# Altium PCB 电解模块主控板_V1.0_ZM_20210726.PcbDoc (part 2 of 2) (continued)
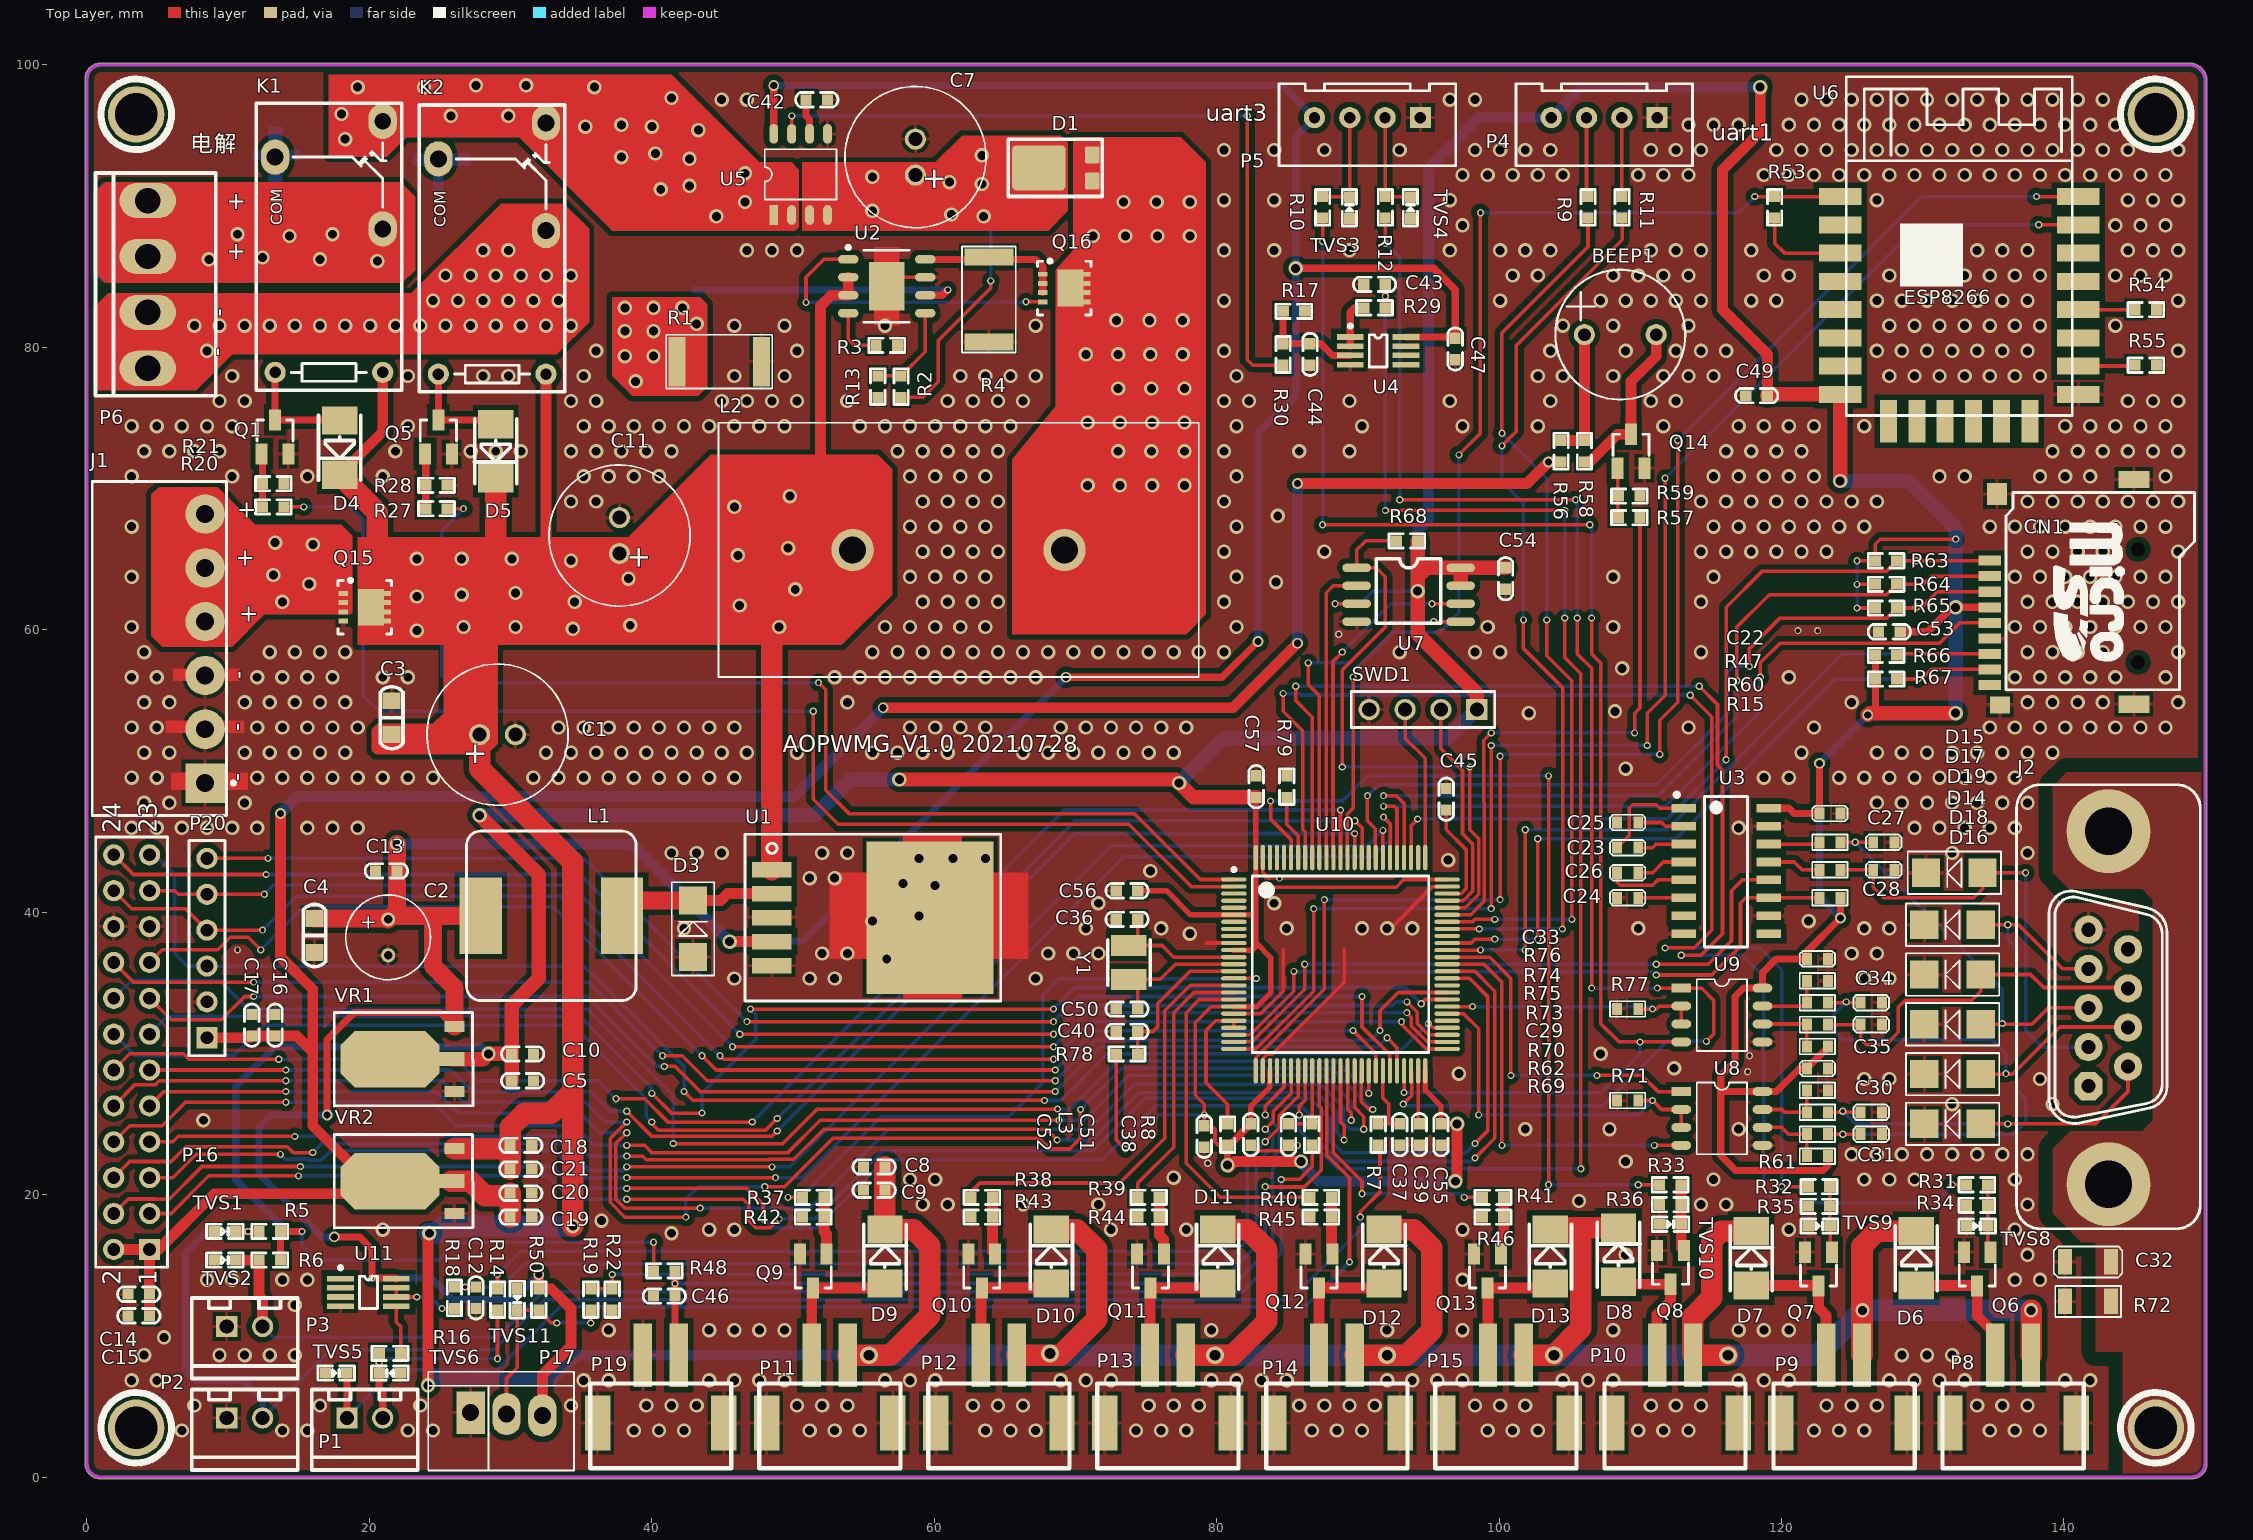
[diagram p0: Top Layer view]
## Nets (pads, with @x,y where several pads share a name; then routed paths per layer and width w, separated by ;. In a path a pad name is that pad's centre, name@x,y a point inside that pad or via, vN(x,y) a via of type N, cw(c..) or ccw(c..) an arc to the next point about the centre after c; other vN are vias at no path point) (continued)
  Top Layer w0.254: R32.1@123.419,20.574 R35.1@123.419,19.177 123.419,17.805 TVS9.2@123.444,17.78 123.444,16.056 Q7.1@123.568,15.932
NetQ8_1: Q8.1 R33.1 R36.1 TVS10.2 | length 4.7
  Top Layer w0.762: R33.1@112.878,20.701 R36.1@112.878,19.304 112.878,17.932 TVS10.2@112.903,17.907 112.903,16.247 Q8.1@113.091,16.059
NetQ9_1: Q9.1 R37.1 R42.1 | length 4.1
  Top Layer w0.762: R37.1@52.197,19.812 R42.1@52.197,18.415 52.197,17.399 52.385,17.211 Q9.1@52.385,15.805
NetQ10_1: Q10.1 R38.1 R43.1 | length 4.1
  Top Layer w0.762: R38.1@64.135,19.812 R43.1@64.135,18.415 64.135,15.993 Q10.1@64.323,15.805
NetQ11_1: Q11.1 R39.1 R44.1 | length 4.1
  Top Layer w0.762: R39.1@75.946,19.812 R44.1@75.946,18.415 75.946,17.145 76.261,16.83 Q11.1@76.261,15.805
NetQ12_1: Q12.1 R40.1 R45.1 | length 4
  Top Layer w0.762: R40.1@88.138,19.812 R45.1@88.138,18.415 88.138,15.866 Q12.1@88.199,15.805
NetQ13_1: Q13.1 R41.1 R46.1 | length 4.1
  Top Layer w0.762: Q13.1@100.137,15.805 100.137,17.079 100.33,17.272 R46.1@100.33,18.415 R41.1@100.33,19.812
NetQ14_1: Q14.1 R57.2 R59.1 | length 3.5
  Top Layer w0.254: Q14.1@108.397,71.444 108.397,68.006 R57.2@108.458,67.945
NetQ16_1: Q16.1 U2.1 | length 22.1
  Top Layer w0.254: v2(50.927,83.185) 50.927,84.963 52.197,86.233 U2.1@53.917,86.233 ; v2(66.507,83.226) Q16.1@67.69,83.226
  Bottom Layer w0.254: v2(50.927,83.185) 66.466,83.185 v2(66.507,83.226)
NetQ16_3: Q16.3 R4.1 U2.8 | length 10.4
  Top Layer w0.508: U2.8@59.367,86.233 67.183,86.233 67.69,85.726 Q16.3@67.69,85.176 Q16.3@67.69,84.526 Q16.3@67.69,83.876
NetR2_2: R2.2 R13.1 U2.5 | length 6.8
  Top Layer w0.254: R13.1@56.007,77.978 R2.2@57.658,77.978 59.367,79.687 U2.5@59.367,82.423
NetR3_1: R3.1 U2.4 | length 4
  Top Layer w0.254: U2.4@53.917,82.423 53.917,80.576 54.356,80.137 R3.1@55.88,80.137
NetR9_2: R9.2 U10.69 | length 63.1
  Top Layer w0.254: U10.69@96.323,39.322 98.123,39.322 98.298,39.497 v2(99.695,39.497) ; v2(100.203,73.914) 100.203,81.026 106.299,87.122 R9.2@106.299,89.154 ; v2(103.378,60.706) 103.378,58.166 105.156,56.388 v2(105.156,39.497)
  Bottom Layer w0.254: v2(99.695,39.497) v2(105.156,39.497) ; v2(100.203,73.914) 103.378,70.739 v2(103.378,60.706)
NetR11_2: R11.2 U10.68 | length 63.8
  Top Layer w0.254: U10.68@96.323,38.822 v2(98.592,38.822) ; v2(100.203,73.025) 101.219,74.041 101.219,80.137 108.712,87.63 R11.2@108.712,89.154 ; v2(101.727,60.706) 101.727,58.674 104.521,55.88 104.521,38.862 v2(104.481,38.822)
  Bottom Layer w0.254: v2(98.592,38.822) v2(104.481,38.822) ; v2(100.203,73.025) 100.203,70.485 101.727,68.961 v2(101.727,60.706)
NetR14_1: R14.1 U10.32 | length 68
  Top Layer w0.254: R14.1@29.083,13.335 v2(29.083,14.351) ; v2(83.439,23.749) 84.43,24.74 84.43,25.629 85.773,26.972 U10.32@85.773,28.772
  Bottom Layer w0.254: v2(29.083,14.351) 30.734,16.002 80.391,16.002 82.169,17.78 82.169,22.479 v2(83.439,23.749)
NetR16_2: R16.2 U11.5 | length 3.5
  Top Layer w0.254: U11.5@21.914,12.106 21.914,10.979 22.225,10.668 R16.2@22.225,8.763
NetR18_2: R18.2 U11.6 U11.7 | length 5.1
  Top Layer w0.254: U11.7@21.914,13.406 U11.6@21.914,12.756 v2(23.368,12.756) ; v2(25.146,11.938) R18.2@26.035,11.938
  Bottom Layer w0.254: v2(23.368,12.756) 24.328,12.756 v2(25.146,11.938)
NetR19_2: R19.2 R22.2 U10.35 | length 64.8
  Top Layer w0.254: R19.2@35.687,13.335 R22.2@37.211,13.335 v2(37.211,14.351) ; v2(83.439,20.574) 83.464,20.549 86.208,20.549 87.401,21.742 87.401,26.137 87.273,26.265 U10.35@87.273,28.772
  Bottom Layer w0.254: v2(37.211,14.351) 80.835,14.414 83.439,17.018 v2@83.439,20.447
NetR20_1: R20.1 U10.2 | length 89.3
  Top Layer w0.254: R20.1@13.97,68.707 v2(15.367,68.707) ; v2(51.435,54.229) 51.435,48.006 53.213,46.228 73.787,46.228 78.193,41.822 U10.2@81.223,41.822
  Bottom Layer w0.254: v2(15.367,68.707) 18.669,68.707 19.558,67.818 19.558,55.372 20.701,54.229 v2(51.435,54.229)
NetR27_1: R27.1 U10.1 | length 79.8
  Top Layer w0.254: R27.1@25.527,68.58 v2(26.67,68.58) ; v2(51.816,56.261) 52.324,55.753 52.324,48.641 53.975,46.99 74.168,46.99 78.836,42.322 U10.1@81.223,42.322
  Bottom Layer w0.254: v2(26.67,68.58) 25.146,67.056 25.146,56.769 25.654,56.261 v2(51.816,56.261)
NetR29_2: R29.2 U4.1 U4.2 | length 3.5
  Top Layer w0.508: U4.2@89.465,80.091 U4.1@89.465,80.731 89.465,82.48 89.789,82.804 R29.2@90.424,82.804
NetR30_2: R30.2 U5.7 | length 53.5
  Top Layer w0.254: U5.7@49.911,95.123 v2(49.911,96.393) ; v2(82.169,96.393) 82.169,79.121 82.55,78.74 R30.2@84.709,78.74
  Bottom Layer w0.254: v2(49.911,96.393) v2(82.169,96.393)
NetR31_2: R31.2 U10.92 | length 99.8
  Top Layer w0.254: v2(85.598,56.007) 85.598,54.991 86.773,53.816 U10.92@86.773,43.872 ; v2(112.903,36.957) 114.3,36.957 115.824,38.481 115.824,50.063 115.468,50.419 115.468,54.712 v2(114.173,56.007) ; v2(132.08,20.701) R31.2@133.071,20.701
  Bottom Layer w0.254: v2(85.598,56.007) v2(114.173,56.007) ; v2(112.903,36.957) 117.221,36.957 118.745,35.433 118.745,20.32 119.634,19.431 130.81,19.431 v2(132.08,20.701)
NetR32_2: R32.2 U10.93 | length 88.4
  Top Layer w0.254: v2(84.709,55.499) 84.709,54.229 86.106,52.832 86.106,45.847 86.273,45.68 U10.93@86.273,43.872 ; v2(111.76,37.465) 111.785,37.49 113.817,37.49 115.062,38.735 115.062,53.848 v2(113.538,55.372) ; v2(120.015,20.574) R32.2@121.895,20.574
  Bottom Layer w0.254: v2(84.709,55.499) 84.734,55.474 85.819,55.474 85.844,55.499 85.958,55.385 113.525,55.385 v2(113.538,55.372) ; v2(111.76,37.465) 111.785,37.49 118.466,37.49 120.015,35.941 v2(120.015,20.574)
NetR33_2: R33.2 U10.95 | length 61.8
  Top Layer w0.254: v2(83.82,47.879) 83.82,46.609 85.273,45.156 U10.95@85.273,43.872 ; v2(103.505,20.701) v2(103.505,49.657) ; v2(109.855,20.701) R33.2@111.354,20.701
  Bottom Layer w0.254: v2(83.82,47.879) 88.9,47.879 90.678,49.657 v2(103.505,49.657) ; v2(103.505,20.701) v2(109.855,20.701)
NetR37_2: R37.2 U10.15 | length 45.8
  Top Layer w0.254: v2(49.657,19.812) R37.2@50.673,19.812 ; U10.15@81.223,35.322 v2@82.804,35.322
  Bottom Layer w0.254: v2(49.657,19.812) 50.546,19.812 56.261,25.527 65.278,25.527 67.691,27.94 67.691,34.163 68.834,35.306 v2(82.804,35.306)
NetR38_2: R38.2 U10.16 | length 30.3
  Top Layer w0.254: R38.2@62.611,19.812 62.611,20.193 63.246,20.828 73.152,20.828 76.327,24.003 76.327,33.02 78.129,34.822 U10.16@81.223,34.822
NetR39_2: R39.2 U10.17 | length 19
  Top Layer w0.254: R39.2@74.422,19.812 74.422,20.828 76.962,23.368 76.962,32.893 78.391,34.322 U10.17@81.223,34.322
NetR40_2: R40.2 U10.18 | length 24.2
  Top Layer w0.254: U10.18@81.223,33.822 78.78,33.822 77.851,32.893 77.851,22.225 80.264,19.812 R40.2@86.614,19.812
NetR41_2: R41.2 U10.37 | length 18.2
  Top Layer w0.254: U10.37@88.273,28.772 88.273,22.979 90.297,20.955 v2(90.297,20.066) ; v2(97.536,19.812) R41.2@98.806,19.812
  Bottom Layer w0.254: v2(90.297,20.066) 97.282,20.066 v2(97.536,19.812)
NetR47_1: R47.1 U3.14 | length 3.6
  Top Layer w0.254: U3.14@119.091,44.831 122.555,44.831 R47.1@122.682,44.958
NetR53_1: R53.1 U6.1 U10.87 | length 77.5
  Top Layer w0.254: U10.87@89.273,43.872 89.24,43.905 89.24,46.949 89.662,47.371 v2(89.662,56.642) ; v2(97.155,72.39) 98.679,73.914 v2(98.679,89.535) ; v2(118.11,90.678) R53.1@119.507,90.678 U6.1@124.155,90.678
  Bottom Layer w0.254: v2(89.662,56.642) 89.662,57.023 92.456,59.817 95.758,59.817 97.155,61.214 v2(97.155,72.39) ; v2(98.679,89.535) 116.967,89.535 v2(118.11,90.678)
NetR53_2: R53.2 U6.3 | length 6.7
  Top Layer w0.254: R53.2@119.507,89.154 119.507,87.376 120.205,86.678 U6.3@124.155,86.678
NetR54_2: R54.2 U6.18 | length 4
  Top Layer w0.254: U6.18@141.021,82.678 R54.2@145.034,82.677 R54.2@145.034,82.677
NetR55_1: R55.1 U6.16 | length 4
  Top Layer w0.254: U6.16@141.021,78.678 144.972,78.678 R55.1@145.034,78.74
NetR57_1: R57.1 U10.70 | length 40.7
  Top Layer w0.254: U10.70@96.323,39.822 97.988,39.822 98.958,40.792 98.958,47.752 98.908,47.803 98.908,52.172 v2(99.441,52.705) ; v2(109.601,52.705) 109.601,54.102 109.982,54.483 R57.1@109.982,67.945
  Bottom Layer w0.254: v2(99.441,52.705) v2(109.601,52.705)
NetR60_1: R60.1 U3.13 | length 3.8
  Top Layer w0.254: U3.13@119.091,43.561 120.904,43.561 121.454,43.011 R60.1@122.682,43.011
NetR61_1: R61.1 R69.1 U8.6 | length 4.9
  Top Layer w0.254: U8.6@118.653,24.765 120.015,24.765 120.495,24.285 R69.1@121.793,24.285 R61.1@121.793,22.733
NetR62_1: R62.1 R70.1 U8.7 | length 4.8
  Top Layer w0.254: U8.7@118.653,26.035 120.015,26.035 120.213,25.837 R62.1@121.793,25.837 R70.1@121.793,27.39
NetR68_2: R68.2 U7.1 U10.71 | length 42.3
  Top Layer w0.254: v2(88.9,50.292) 88.9,57.15 91.948,60.198 91.948,63.754 91.313,64.389 U7.1@89.916,64.389 89.916,65.659 90.551,66.294 R68.2@92.71,66.294 ; U10.71@96.323,40.322 97.599,40.322 98.552,41.275 98.552,45.212 97.917,45.847 v2(97.917,50.292)
  Bottom Layer w0.254: v2(88.9,50.292) v2(97.917,50.292)
NetR73_1: R73.1 R75.1 U9.6 | length 4.7
  Top Layer w0.254: U9.6@118.653,32.089 121.75,32.089 R75.1@121.793,32.046 R73.1@121.793,30.494
NetR74_1: R74.1 R76.1 U9.7 | length 4.8
  Top Layer w0.254: U9.7@118.653,33.359 121.553,33.359 R74.1@121.793,33.599 R76.1@121.793,35.151
NetR79_2: R79.2 U10.94 | length 4.6
  Top Layer w0.254: R79.2@84.963,48.133 84.963,46.228 85.773,45.418 U10.94@85.773,43.872
NetU6_21: U6.21 U10.25 | length 104.5
  Top Layer w0.254: U10.25@81.223,30.322 82.773,30.322 86.868,34.417 v2(86.868,40.259) ; v2(99.441,40.259) v2(99.441,51.816) ; v2(110.49,51.816) 110.49,54.102 111.76,55.372 v2(111.76,70.739) ; v2(138.208,88.678) U6.21@141.021,88.678
  Bottom Layer w0.254: v2(86.868,40.259) v2(99.441,40.259) ; v2(99.441,51.816) v2(110.49,51.816) ; v2(111.76,70.739) 129.699,88.678 v2(138.208,88.678)
NetU6_22: U6.22 U10.26 | length 106.4
  Top Layer w0.254: U10.26@82.773,28.772 82.773,29.704 83.427,30.358 83.444,30.358 87.63,34.544 v2(87.63,40.894) ; v2(100.076,40.894) v2(100.076,51.054) ; v2(111.379,51.181) 111.379,53.594 112.649,54.864 v2(112.649,73.406) ; v2(138.049,90.678) U6.22@141.021,90.678
  Bottom Layer w0.254: v2(87.63,40.894) v2(100.076,40.894) ; v2(100.076,51.054) 100.203,51.181 v2(111.379,51.181) ; v2(112.649,73.406) 129.921,90.678 v2(138.049,90.678)
NetU7_2: U7.2 U10.90 | length 21.1
  Top Layer w0.254: U10.90@87.773,43.872 87.773,62.627 88.265,63.119 U7.2@89.916,63.119
NetU7_5: U7.5 U10.91 | length 26.1
  Top Layer w0.254: v2(86.487,57.658) 86.487,56.134 87.273,55.348 U10.91@87.273,43.872 ; v2(95.377,60.579) U7.5@97.282,60.579
  Bottom Layer w0.254: v2(86.487,57.658) 89.408,57.658 92.329,60.579 v2(95.377,60.579)
NetU7_6: U7.6 U10.89 | length 24.6
  Top Layer w0.254: U10.89@88.273,43.872 88.24,43.905 88.24,57.76 v2(88.9,58.42) ; v2(95.25,61.849) U7.6@97.282,61.849
  Bottom Layer w0.254: v2(88.9,58.42) 92.329,61.849 v2(95.25,61.849)
NetU10_29: U10.29
RCS: K1.3 K2.3 R1.1 U2.6 | length 19.7
  Top Layer w0.508: U2.6@59.367,83.693 60.579,83.693 v2(60.96,84.074)
  Bottom Layer w0.508: 43.053,84.074 v2(60.96,84.074)
  other v1: 38.862,77.597 38.1,79.375 40.132,79.375 38.1,81.153 40.132,81.153 43.18,81.661 38.1,82.804 40.132,82.804 42.164,82.804
RXD1_485: U8.1 U10.64 | length 24.5
  Top Layer w0.254: U10.64@96.323,36.822 96.34,36.805 99.339,36.805 100.838,35.306 v2(100.838,28.448) ; v2(106.934,28.448) 110.109,28.448 111.252,27.305 U8.1@112.903,27.305
  Bottom Layer w0.254: v2(100.838,28.448) v2(106.934,28.448)
RXD2_485: R12.2 U9.1 U10.48 | length 106
  Top Layer w0.254: v2(91.948,87.376) R12.2@91.948,89.154 ; v2(92.964,69.215) v2(105.41,69.215) ; v2(93.218,26.416) 93.662,26.86 93.662,26.868 93.806,27.012 93.806,28.739 U10.48@93.773,28.772 ; v2(105.537,60.833) 105.537,58.293 106.553,57.277 v2(106.553,34.629) ; v2(111.21,34.629) U9.1@112.903,34.629 114.342,34.629 115.189,33.782 115.189,31.369 v2(114.681,30.861)
  Bottom Layer w0.254: v2(91.948,87.376) 92.964,86.36 v2(92.964,69.215) ; v2(93.218,26.416) 93.345,26.289 107.315,26.289 111.887,30.861 v2(114.681,30.861) ; v2(105.41,69.215) 105.537,69.088 v2(105.537,60.833) ; v2(106.553,34.629) v2(111.21,34.629)
RXD_233: U3.12 U10.24 | length 45.9
  Top Layer w0.254: U10.24@81.223,30.822 82.511,30.822 86.233,34.544 v2(86.233,36.322) ; v2(111.125,36.322) 114.808,36.322 116.459,37.973 116.459,41.529 117.221,42.291 U3.12@119.091,42.291
  Bottom Layer w0.254: v2(86.233,36.322) v2(111.125,36.322) v2@111.252,36.322
SWCLK: SWD1.3 U10.76 | length 11.1
  Top Layer w0.254: SWD1.3@93.345,54.356 93.345,52.324 94.773,50.896 U10.76@94.773,43.872
SWDIO: SWD1.2 U10.72 | length 15.9
  Top Layer w0.254: SWD1.2@95.885,54.356 95.885,51.57 97.409,50.046 97.409,45.568 98.146,44.831 98.146,41.504 97.464,40.822 U10.72@96.323,40.822
TXD1_485: U8.4 U10.63 | length 28.7
  Top Layer w0.254: U10.63@96.323,36.322 98.933,36.322 100.203,35.052 v2(100.203,23.495) ; v2(110.998,23.495) U8.4@112.903,23.495
  Bottom Layer w0.254: v2(100.203,23.495) v2(110.998,23.495)
TXD2_485: R10.2 U9.4 U10.47 | length 102.7
  Top Layer w0.254: v2(87.503,67.437) v2(106.426,67.437) ; v2(87.503,87.503) R10.2@87.503,89.154 ; v2(93.273,27.233) U10.47@93.273,28.772 ; v2(106.553,60.833) 106.553,58.293 107.188,57.658 107.188,32.131 108.5,30.819 v2(109.982,30.819) U9.4@112.903,30.819
  Bottom Layer w0.254: v2(87.503,67.437) v2(87.503,87.503) ; v2(93.273,27.233) 107.243,27.233 109.982,29.972 v2(109.982,30.819) ; v2(106.426,67.437) 106.553,67.31 v2(106.553,60.833)
TXD_232: R15.2 U3.11 U10.23 | length 48.3
  Top Layer w0.254: U10.23@81.223,31.322 82.376,31.322 85.471,34.417 v2(85.471,35.814) ; v2(111.125,35.56) 115.062,35.56 117.094,37.592 117.094,40.64 117.475,41.021 U3.11@119.091,41.021 R15.2@122.682,41.021
  Bottom Layer w0.254: v2(85.471,35.814) 85.496,35.789 110.896,35.789 v2(111.125,35.56)
V5.0: C14.2 C15.2 C16.2 C17.2 C19.2 C20.2 P16.1 P16.2 P20.1 R56.2 VR2.2 VR2.4 | length 178.4
  Top Layer w0.762: P16.2@1.905,16.129 P16.1@4.445,16.129 ; C15.2@4.445,11.43 C14.2@4.445,12.954 P16.1@4.445,16.129 ; P20.1@8.509,31.115 11.557,31.115 C17.2@11.684,31.242 C16.2@13.335,31.242 14.859,31.242 16.002,30.099 ; v3(13.716,46.99) 13.716,36.83 16.002,34.544 16.002,30.099 ; v3(56.388,54.483) 81.153,54.483 v3(85.725,59.055) ; v3(85.725,70.358) 101.981,70.358 v3(103.505,71.882) R56.2@104.394,71.882 ; P16.1@4.445,16.129 5.08,16.129 9.017,20.066 20.574,20.066 VR2.4@21.463,20.955 19.939,20.955 16.002,24.892 16.002,30.099
  Top Layer w1.524: VR2.2@25.808,20.969 27.164,20.969 28.194,19.939 29.803,19.939 C20.2@29.972,20.108 C19.2@29.972,18.415
  Bottom Layer w0.762: v3(13.716,46.99) 14.922,48.197 50.102,48.197 v3(56.388,54.483) ; v3(85.725,59.055) v3(85.725,70.358)
VDD5V: C2.1 C4.2 C13.2 C47.2 L1.2 P5.4 P17.3 R50.1 U1.4 U4.8 U5.8 U11.8 VR1.3 | length 265.3
  Top Layer w0.508: v3(17.018,25.654) 17.018,30.988 18.923,32.893 25.047,32.893 VR1.3@26.035,31.905 ; v3(17.526,17.018) 19.304,17.018 20.193,16.129 v2(20.193,14.097) 21.873,14.097 U11.8@21.914,14.056 ; U5.8@48.641,95.123 v3(48.641,98.552) ; v3(69.342,56.642) 80.391,56.642 v3(82.931,59.182) ; v1(85.598,85.598) 95.377,85.598 96.901,84.074 C47.2@96.901,80.645 96.815,80.731 U4.8@93.415,80.731
  Top Layer w0.762: v3(32.004,14.351) R50.1@32.004,13.335 32.893,13.335 34.29,11.938 34.29,9.271 32.258,7.239 P17.3@32.258,4.372 ; v1(45.515,37.924) U1.4@48.514,37.924
  Top Layer w1.27: C4.2@16.129,39.554 21.279,39.554 C2.1@21.336,39.497 C2.1@21.59,39.751 ; v1(21.971,44.831) C13.2@21.971,42.926 21.971,40.132 C2.1@21.59,39.751 ; VR1.3@26.035,31.905 26.035,34.671 24.511,36.195 24.511,39.751 ; L1.2@27.893,39.751 24.511,39.751 ; C2.1@21.59,39.751 24.511,39.751
  Bottom Layer w0.508: v3@17.272,25.654 v3(17.018,25.654) 13.081,25.654 12.192,24.765 12.192,21.463 16.637,17.018 v3(17.526,17.018) ; v2(20.193,14.097) 24.384,14.097 25.908,12.573 30.226,12.573 v3(32.004,14.351) ; v1(45.515,37.924) 45.564,37.973 50.673,37.973 v3(69.342,56.642) ; v3(48.641,98.552) 84.642,98.552 P5.4@86.928,96.266 85.598,94.936 v1(85.598,85.598) 85.598,76.581 82.931,73.914 v3(82.931,59.182)
  Bottom Layer w0.762: v1(21.971,44.831) 38.608,44.831 v1(45.515,37.924)
VDD12V: C1.1 C3.2 C8.2 C9.2 C11.1 C18.2 C21.2 D4.2 D5.2 D6.2 D7.2 D8.2 D9.2 D10.2 D11.2 D12.2 D13.2 K1.5 K2.5 L2.1 P8.1 P9.1 P10.1 P11.1 P12.1 P13.1 P14.1 P15.1 Q15.2 U1.1 U2.2 U2.3 VR2.3 | length 373.5
  Top Layer w0.762: D4.2@17.907,70.983 20.955,74.031 K1.5@20.955,78.232 ; v1(24.155,6.502) 24.155,17.17 v1(24.257,17.272) ; 32.512,66.167 K2.5@32.512,78.105 ; 52.197,71.628 51.943,71.882 51.943,82.931 52.705,83.693 U2.3@53.917,83.693 U2.2@53.917,84.963
  Top Layer w1.524: D4.2@17.907,70.983 20.574,68.316 20.574,66.04 ; VR2.3@26.035,23.269 29.746,23.269 C18.2@29.972,23.495 ; v1(26.67,60.198) 26.67,53.721 C1.1@27.813,52.578 27.813,50.165 34.417,43.561 34.417,27.305 ; 28.956,66.167 D5.2@28.956,70.729 ; C21.2@29.972,21.802 C18.2@29.972,23.495 ; v1(34.417,17.78) 34.417,27.305 ; U1.1@48.514,43.024 48.514,60.452 ; P11.1@53.88,8.636 v4(55.388,8.636) 56.896,8.636 59.69,11.43 59.69,16.383 58.537,17.536 D9.2@56.515,17.536 C9.2@56.515,20.32 C8.2@56.515,21.971 ; P12.1@65.849,8.636 68.961,8.636 71.501,11.176 71.501,16.129 70.094,17.536 D10.2@68.294,17.536 ; P13.1@77.819,8.636 81.153,8.636 83.566,11.049 83.566,16.129 82.159,17.536 D11.2@80.073,17.536 ; P14.1@89.789,8.636 93.472,8.636 95.25,10.414 95.25,16.256 93.97,17.536 D12.2@91.853,17.536 ; P15.1@101.759,8.636 v4(103.886,8.636) 105.796,10.546 105.796,16.632 104.892,17.536 D13.2@103.632,17.536 103.759,17.663 D8.2@108.458,17.663 ; v4(116.205,8.636) P10.1@113.728,8.636 113.728,11.367 115.062,12.7 115.062,16.764 115.707,17.409 D7.2@117.856,17.409 ; P9.1@125.698,8.636 125.698,16.351 126.756,17.409 D6.2@129.54,17.409 ; P8.1@137.668,8.636 v1(137.668,11.811) ; C18.2@29.972,23.495 29.972,24.765 30.988,25.781 32.893,25.781 34.417,27.305
  Bottom Layer w0.762: v1(24.155,6.502) 24.613,6.96 33.04,6.96 34.716,8.636 v4(55.388,8.636)
  Bottom Layer w1.524: v1(24.257,17.272) 24.765,17.272 25.273,17.78 v1(34.417,17.78) ; v4(55.388,8.636) v4(103.886,8.636) 122.555,8.636 v1(125.73,11.811) v1(137.668,11.811)
  other v1: 23.368,59.944 34.417,60.071 30.353,60.198 49.022,60.198 38.481,60.325 46.228,61.722 34.544,61.976 23.368,62.357 26.543,62.484 30.353,62.611 50.165,62.865 38.354,63.627 34.29,64.897 23.368,65.024 26.543,65.024 30.099,65.024 46.101,65.278 49.657,65.786 45.847,68.707 49.784,69.469
  other v4: 79.883,8.636 92.075,8.636 68.199,8.763
VDD_ELE: C7.1 D1.2 R2.1 U5.3 U5.4 | length 16.6
  Top Layer w0.254: R2.1@57.658,76.454 59.182,76.454 60.3,77.572 60.3,80.493 64.008,84.201 v2(64.008,84.709)
  Bottom Layer w0.254: v1(63.5,89.281) 64.008,88.773 v2(64.008,84.709)
  other v1: 61.214,89.408 55.626,89.662 63.373,91.567 61.087,91.694 55.626,92.075 63.373,93.599
VO+: K1.2 K2.2 U5.1 U5.2
  other v1: 44.577,89.281 46.609,90.297 40.64,91.186 42.672,91.44 46.609,92.329 42.672,93.345 37.846,93.472 40.259,93.726 18.288,94.742 43.307,95.377 35.306,95.631 40.005,95.631 37.846,95.758 25.781,96.393 29.845,96.393 18.034,96.52 41.402,97.663 19.177,98.425 23.876,98.425 35.941,98.425 27.559,98.552 31.115,98.552
pads on no net: CN1.0 CN1.9 J2.1 J2.6 U3.7 U3.9 U4.5 U4.6 U4.7 U6.2 U6.4 U6.5 U6.6 U6.7 U6.9 U6.10 U6.11 U6.12 U6.13 U6.14 U6.17 U6.19 U6.20 U10.3 U10.4 U10.5 U10.7 U10.8 U10.9 U10.55 U10.60 U10.67 U10.77 U10.84 U10.96 U10.97 U10.98 U11.1 U11.2 U11.3

## Polygon pours and split planes (outlines as drawn)
RCS on Bottom Layer "Top Layer-No Net" (solid, remove dead copper, pour order 0): 11.049,98.806 14.732,98.806 16.002,98.806 16.256,98.552 16.383,98.425 25.908,98.425 27.432,98.425 27.813,98.044 31.496,94.361 37.084,94.361 38.1,94.361 42.672,89.789 44.069,88.392 44.069,77.724 44.069,77.343 43.307,76.581 43.18,76.454 40.259,76.454 38.862,76.454 38.1,77.216 37.084,78.232 37.084,80.391 37.084,86.487 35.179,88.392 34.163,89.408 30.48,89.408 11.303,89.408 10.795,89.916 10.16,90.551 10.16,94.488 10.16,97.917 11.049,98.806
NetC32_2 on Bottom Layer "Top Layer-No Net" (solid, remove dead copper, pour order 6): 141.478,16.637 141.478,10.414 141.478,8.89 144.145,8.89 144.145,-1.524 144.018,-1.651 152.019,-1.651 152.019,48.641 152.273,48.895 151.257,49.911 143.129,49.911 140.208,49.911 139.192,48.895 139.192,44.45 139.192,42.799 140.081,41.91 140.335,41.656 143.256,41.656 145.542,41.656 146.05,41.148 146.304,40.894 146.304,37.719 146.304,25.273 146.05,25.019 145.542,24.511 144.653,24.511 140.462,24.511 139.7,23.749 139.192,23.241 139.192,20.828 139.192,18.669 139.827,18.034 141.224,16.637 141.351,16.637
GND on Bottom Layer "Top Layer-No Net" (solid, remove dead copper, pour order 12): -5.08,104.648 153.162,104.648 154.051,105.537 155.956,103.632 155.956,-2.921 119.634,-2.921 116.205,-6.35 112.395,-2.54 -6.096,-2.54 -6.096,105.537 -5.842,105.791
NetC32_2 on Top Layer "Top Layer-No Net" (solid, remove dead copper, pour order 8): 142.24,16.637 142.24,8.89 144.145,8.89 144.145,-1.524 144.018,-1.651 152.019,-1.651 152.019,48.641 152.273,48.895 151.257,49.911 143.129,49.911 140.208,49.911 139.192,48.895 139.192,44.45 139.192,42.799 140.081,41.91 140.335,41.656 143.256,41.656 145.542,41.656 146.05,41.148 146.304,40.894 146.304,37.719 146.304,25.273 146.05,25.019 145.542,24.511 144.653,24.511 140.462,24.511 139.7,23.749 139.192,23.241 139.192,20.828 139.192,18.669 139.827,18.034 141.224,16.637 141.351,16.637
GND on Top Layer "Top Layer-No Net" (solid, remove dead copper, pour order 10): -19.431,108.204 -11.92,100.693 156.464,100.693 156.464,-1.651 -7.747,-1.651 -7.747,100.693

## Keep-outs
Keep-Out Layer:
  lines w0.254: 0.746,100 148.746,100 ; 1,100 ccw(c1,99) 0,99 0,1 ccw(c1,1) 1,0 149,0 ccw(c149,1) 150,1 150,99 ccw(c148.859,98.859) 148.717,100
Mechanical 1:
  lines w0.254: 0.762,100 148.762,100 ; 1.016,100 ccw(c1.016,99) 0.016,99 0.016,1 ccw(c1.016,1) 1.016,0 149.016,0 ccw(c149.016,1) 150.016,1 150.016,99 ccw(c148.875,98.859) 148.733,100

## Other copper
Top Layer:
  rectangle net GND: 6.096,56.388 10.795,57.277
  rectangle net GND: 5.969,48.641 11.43,49.911
  rectangle net GND: 5.588,52.705 11.176,53.594
  rectangle net GND: 55.753,81.534 57.531,87.122
  rectangle net GND: 52.578,36.703 66.675,42.799
  rectangle net GND: 57.785,33.909 61.976,45.466
  region net VDD12V: 24.511,53.34 25.273,54.102 25.273,60.452 25.654,60.833 27.813,60.833 29.083,59.563 29.083,51.943 28.321,51.181 20.447,51.181 20.193,51.435 20.193,52.959 20.574,53.34
  region net RCS: 37.211,83.566 43.434,83.566 43.942,83.058 43.942,77.216 43.307,76.581 38.608,76.581 37.211,77.978
  region net NetK2_1: 1.524,83.82 22.987,83.82 29.337,90.17 33.782,90.17 35.56,88.392 35.56,81.788 33.274,79.502 10.287,79.502 7.747,76.962 0.762,76.962 0.508,77.216 0.508,82.804
  region net NetK1_1: 1.27,91.694 9.271,91.694 22.225,91.694 23.241,90.678 23.241,85.471 22.352,84.582 1.27,84.582 0.762,85.09 0.762,91.186
  region net VO+: 17.145,99.314 41.402,99.314 47.625,93.091 49.911,93.091 50.419,92.583 50.419,88.519 50.165,88.265 37.211,88.265 30.607,94.869 22.606,94.869 21.251,93.514 17.145,93.514 17.145,94.028 17.145,94.869
  region net VDD_ELE: 68.961,94.996 69.469,94.488 69.469,89.662 68.072,88.265 50.673,88.265 50.673,93.091 60.071,93.091 61.976,94.996
  region net NetD1_1: 77.851,59.69 79.248,61.087 79.248,93.091 77.47,94.869 69.85,94.869 69.85,86.868 68.603,85.503 68.603,75.819 65.532,72.074 65.532,59.69
  region net VDD12V: 19.177,58.928 53.467,58.928 57.023,62.484 57.023,71.374 56.007,72.39 44.196,72.39 38.354,66.548 19.177,66.548
  region net NetJ1_4: 5.08,70.104 9.271,70.104 11.938,67.437 18.034,67.437 18.796,66.675 18.796,61.214 18.669,61.087 12.573,61.087 10.287,58.801 5.334,58.801 4.572,59.563 4.572,69.596
Bottom Layer:
  rectangle net RCS: 12.827,91.694 13.843,95.631
  rectangle net RCS: 11.684,93.218 15.113,93.98
  rectangle net RCS: 24.511,90.932 25.273,93.472
  rectangle net RCS: 23.114,92.837 27.178,93.726
  region net NetK2_1: 1.651,83.82 22.987,83.82 27.305,88.138 34.163,88.138 35.433,86.868 35.433,81.915 33.147,79.629 9.779,79.629 7.239,77.089 0.889,77.089 0.635,77.343 0.635,82.804
  region net NetK1_1: 6.35,91.694 9.271,88.773 22.606,88.773 23.114,88.265 23.114,85.344 22.352,84.582 1.143,84.582 0.508,85.217 0.508,91.059 1.143,91.694
  region net VO+: 17.145,99.314 41.402,99.314 47.625,93.091 49.911,93.091 50.419,92.583 50.419,88.519 50.165,88.265 43.18,88.265 30.734,94.869 22.606,94.869 21.765,94.028 17.145,94.028 17.145,94.869
  region net NetJ1_4: 5.08,70.104 9.271,70.104 11.938,67.437 18.034,67.437 18.796,66.675 18.796,61.214 18.669,61.087 12.573,61.087 10.287,58.801 5.334,58.801 4.572,59.563 4.572,69.596

## Silkscreen, mask and mechanical layers (free items; w line width, h text height)
Top Overlay:
  circle w0.5: c3.5,3.5 r2.5
  circle w0.5: c3.5,96.5 r2.5
  circle w0.5: c146.5,96.5 r2.5
  circle w0.5: c146.5,3.5 r2.5
  text "uart3" at 79.248,95.631 h2.03
  text "uart1" at 115.062,94.234 h2.03
  text "电解" at 7.366,93.472 h2.03
  text "+" at 9.906,89.408 h2.03
  text "+" at 9.906,85.852 h2.03
  text "-" at 10.287,82.169 h2.03 r90
  text "-" at 10.16,79.375 h2.03 r90
  text "+" at 10.668,67.564 h2.03
  text "+" at 10.541,64.135 h2.03
  text "+" at 10.795,60.198 h2.03
  text "-" at 11.684,56.515 h2.03 r90
  text "-" at 11.557,52.832 h2.03 r90
  text "AOPWMG_V1.0 20210728" at 49.276,50.927 h2.03
  text "-" at 11.557,49.276 h2.03 r90
Bottom Overlay:
  text "水位L" at 13.335,8.255 h2.03
  text "电磁阀1" at 54.991,3.302 h2.03
  text "电磁阀3" at 79.502,3.175 h2.03
  text "电磁阀4" at 91.44,3.175 h2.03
  text "泵2" at 125.603,3.175 h2.03
  text "压力阀" at 43.18,3.048 h2.03
  text "电磁阀2" at 67.818,3.048 h2.03
  text "电磁阀5" at 103.378,3.048 h2.03
  text "泵1" at 113.665,3.048 h2.03
  text "泵3" at 137.795,3.048 h2.03
  text "TDS" at 21.336,1.778 h2.03
  text "水位H" at 13.589,1.524 h2.03
  text "流量" at 31.496,1.143 h2.03
Bottom Solder:
  region: 6.35,91.694 9.271,88.773 22.606,88.773 22.606,85.471 22.098,84.963 0.762,84.963 0.762,91.313 1.143,91.694
  region: 1.27,83.185 23.368,83.185 29.718,89.535 33.782,89.535 35.052,88.265 35.052,82.296 32.512,79.756 9.779,79.756 7.239,77.216 0.762,77.216 0.762,82.677
  region: 17.145,99.314 41.402,99.314 47.625,93.091 49.911,93.091 50.419,92.583 50.419,88.519 50.165,88.265 43.18,88.265 29.777,95.377 22.352,95.377 21.003,94.028 17.145,94.028 17.145,94.869
  region: 25.908,59.436 52.959,59.436 56.388,62.865 56.388,71.247 55.753,71.882 45.847,71.882 39.751,65.786 25.908,65.786

## Text inside footprints (layer, text, board x,y; h text height)
C1: Top Overlay "+" at 28.397,51.867 h1.52 r180
C2: Top Overlay "+" at 20.378,38.694 h1.02 r90
C7: Top Overlay "+" at 59.385,92.786 h1.52 r270
C11: Top Overlay "+" at 38.43,65.989 h1.52 r270
J1: Mechanical 1 "J32" at 9.017,47.695 h1.27 r90
K1: Top Overlay "COM" at 13.843,88.646 h0.8 r90
K2: Top Overlay "COM" at 25.4,88.519 h0.8 r90
P16: Top Overlay "24" at 2.413,45.593 h1.27 r90; Top Overlay "23" at 4.953,45.593 h1.27 r90; Top Overlay "2" at 2.413,13.589 h1.27 r90; Top Overlay "1" at 4.953,13.589 h1.27 r90
U6: Top Overlay "ESP8266" at 128.651,83.058 h1.02